# Altium PCB batt_ctrl_pcb_v1.PcbDoc
Units mm, origin at the board's own origin, x right, y up, seen from the top; angles counter-clockwise.
Board outline 70 x 60 mm, 2 copper layers (Top Layer, Bottom Layer); 95 components, 82 nets, 310 pads, 157 vias.
Unrouted connection lines stored in the file: 2.
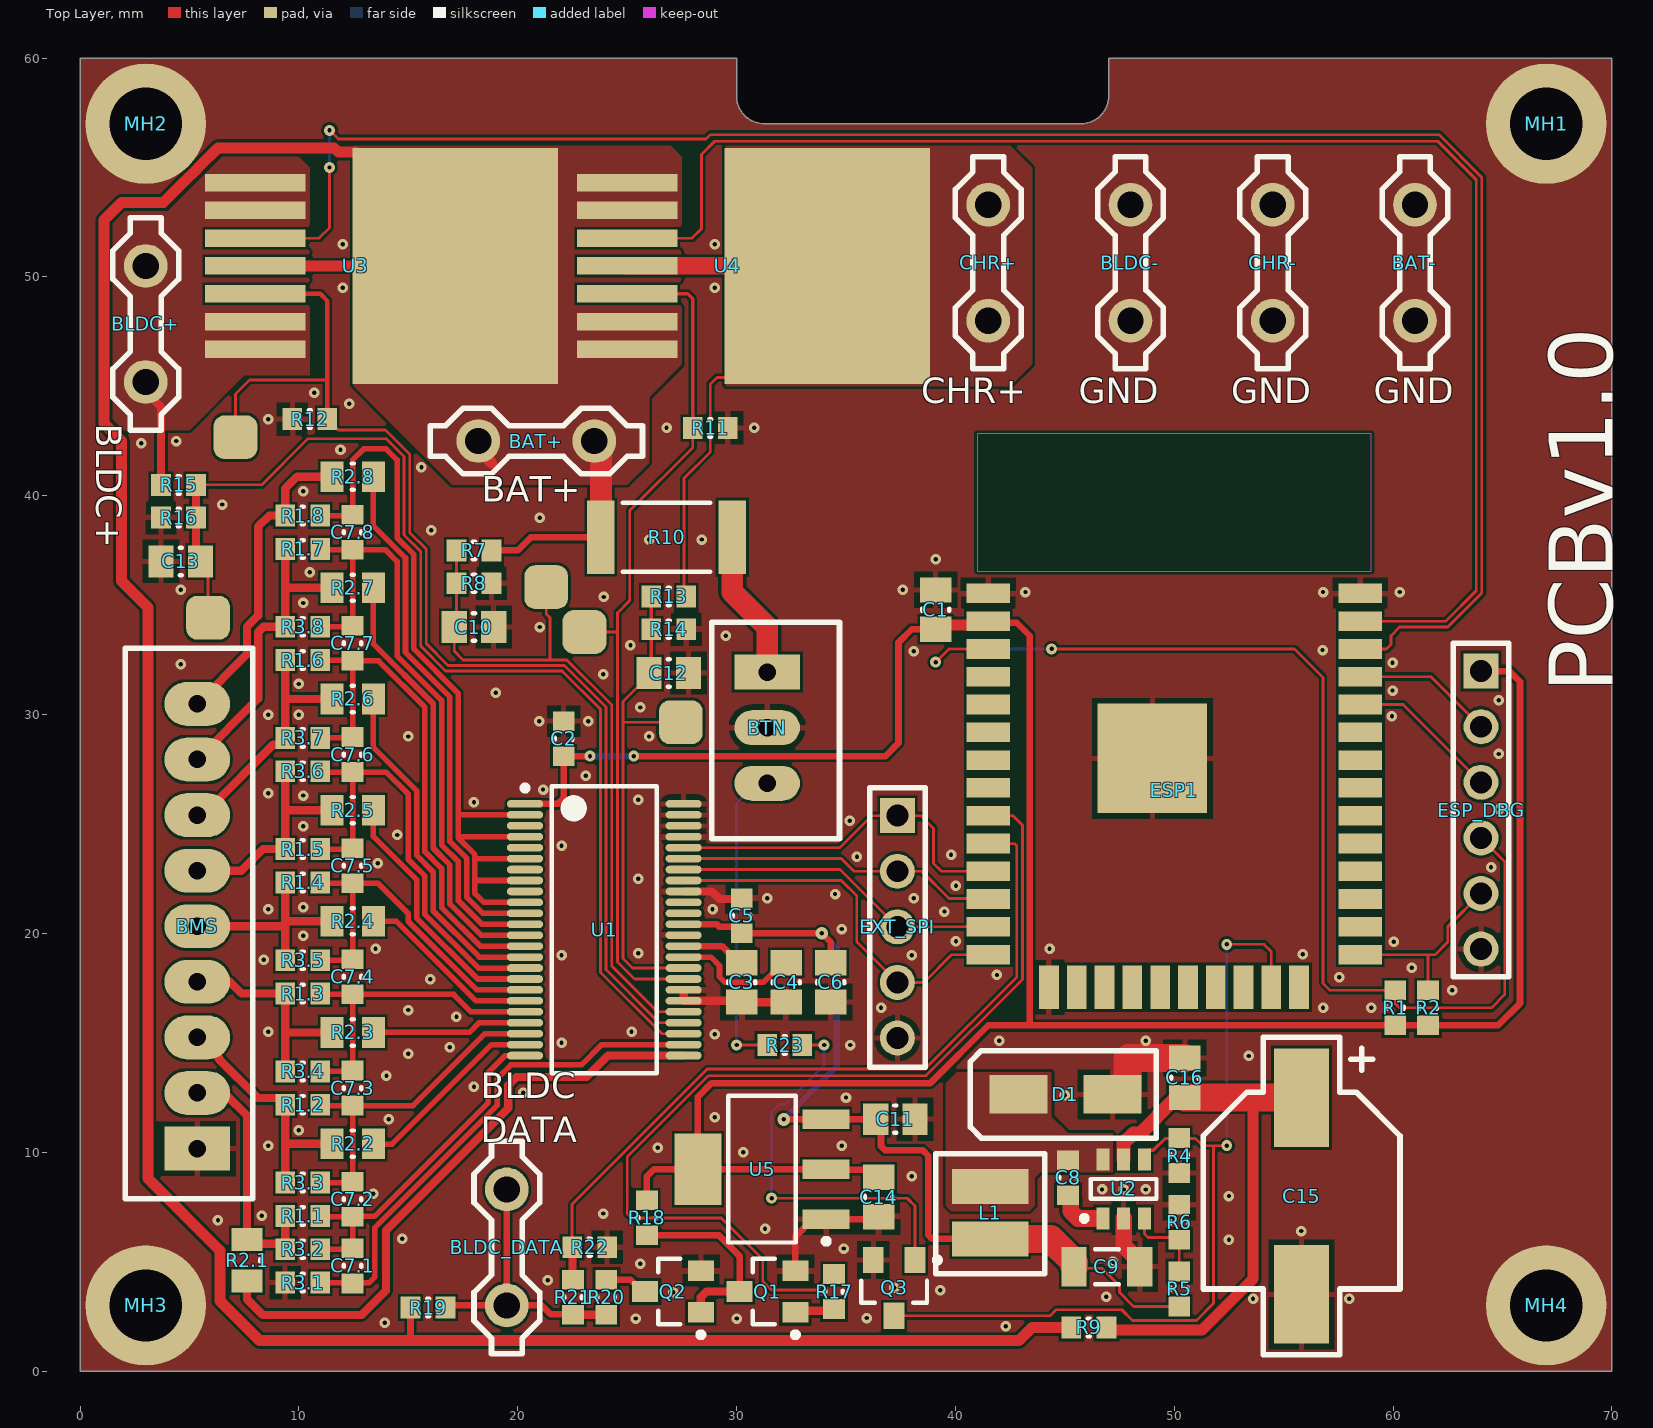
[diagram p0: Top Layer view]
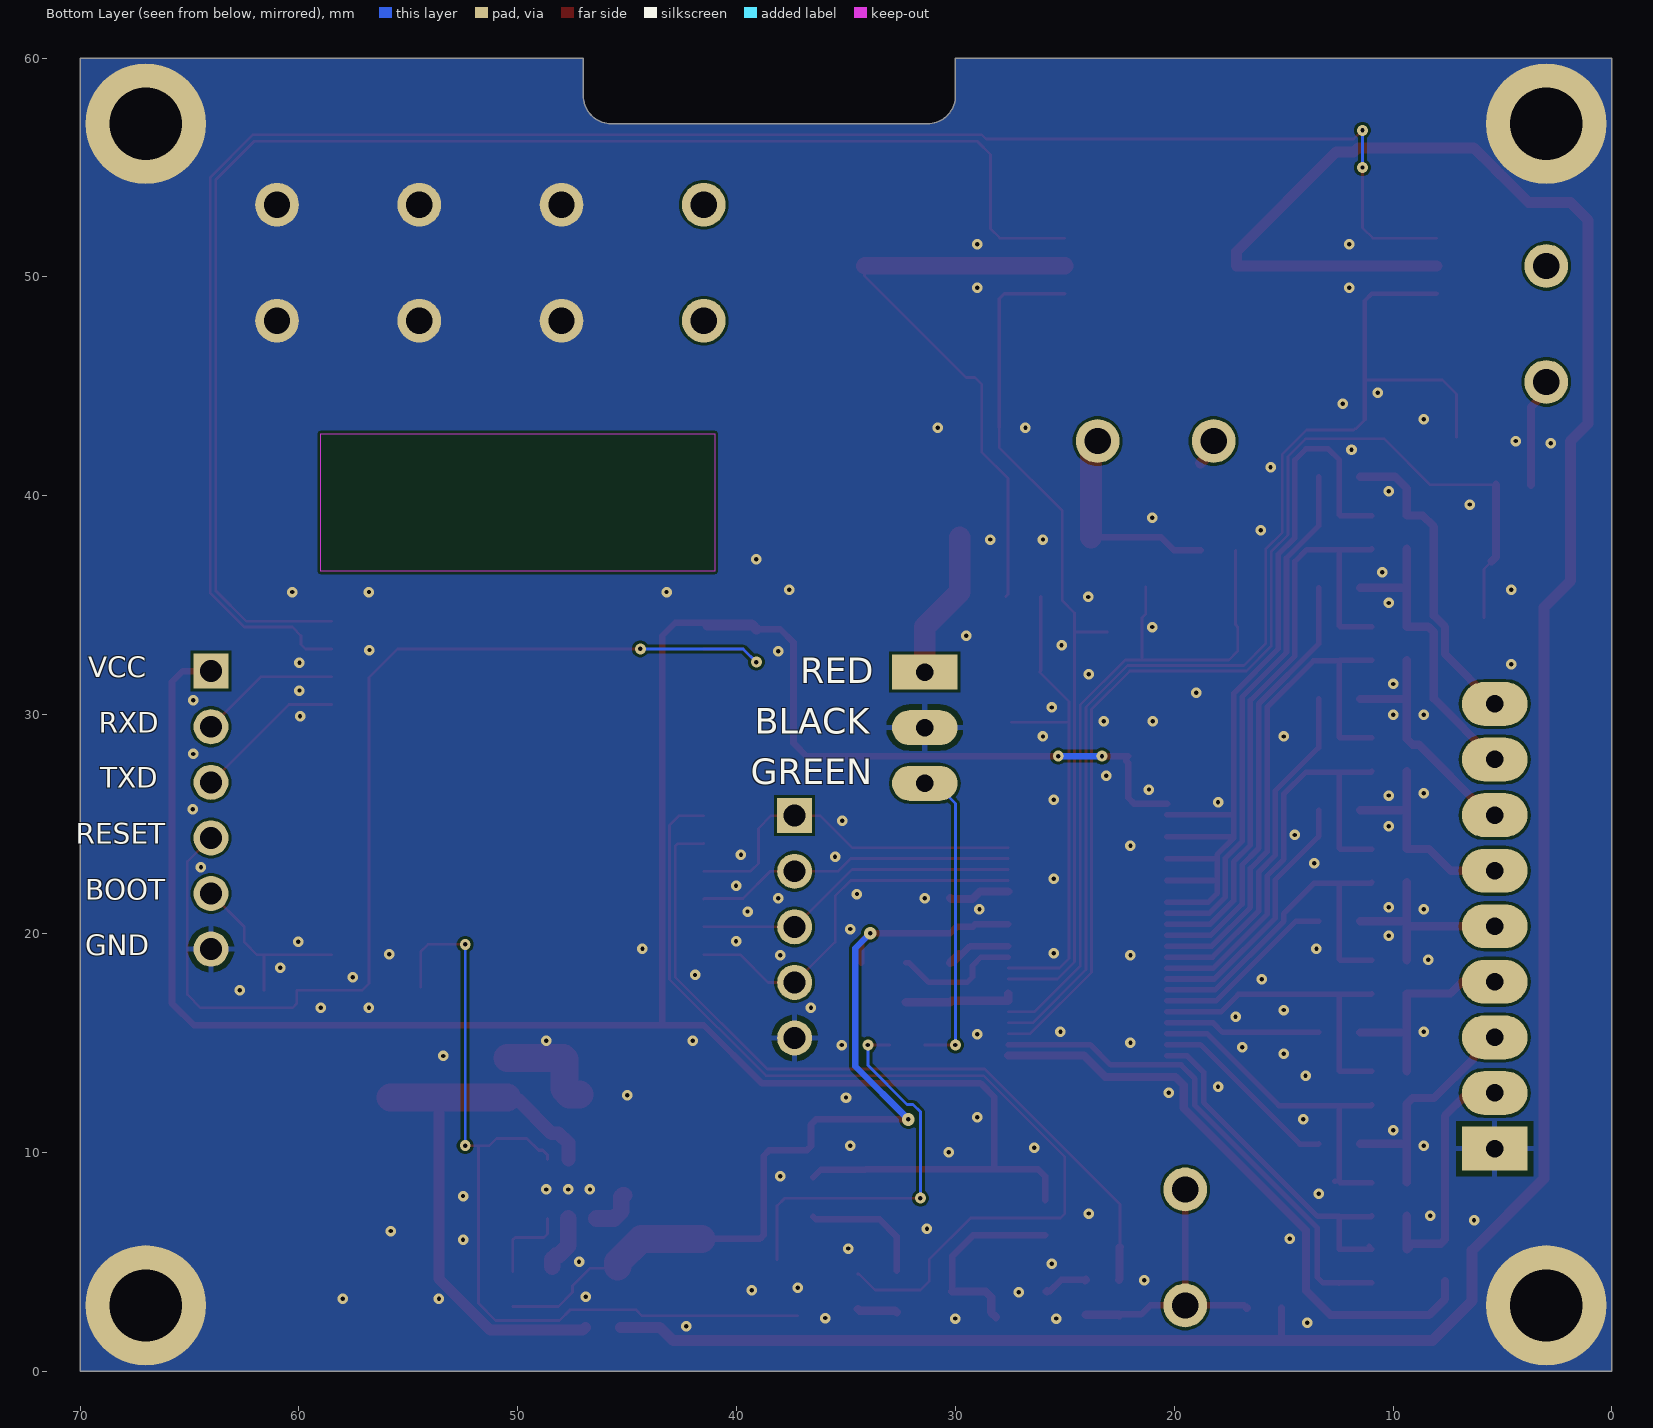
[diagram p1: Bottom Layer view, seen from below]

## Layer stack, top to bottom
Top Solder: solder mask 0.0102, Solder Resist, Dk 3.5
Top Layer: signal copper 0.0356
Dielectric 1: dielectric 0.32, FR-4, Dk 4.8
Bottom Layer: signal copper 0.0356
Bottom Solder: solder mask 0.0102, Solder Resist, Dk 3.5

## Board outline
0,0 0,60 30,60 30,58.27 ccw(c31.27,58.27) 31.27,57 45.73,57 ccw(c45.73,58.27) 47,58.27 47,60 70,60 70,0

## Design rules (kind name [scope] priority, off if disabled: settings)
Clearance [All] p1: gap=0.127 ignorepadtopadclearanceinfootprint=FALSE
DiffPairsRouting [All] p1: maxlimit=0.254 minlimit=0.127 mostfreqgap=0.254 toplayer_minwidth=0.127 toplayer_maxwidth=0.381 toplayer_prefwidth=0.381 bottomlayer_minwidth=0.127 bottomlayer_maxwidth=0.381 bottomlayer_prefwidth=0.381 maxuncoupledlength=12.7
HoleSize [All] p1: absolutevalues=TRUE maxlimit=6.3 minlimit=0.2 maxpercent=80.000 minpercent=20.000
HoleToHoleClearance [All] p1: gap=0.25 allowstackedmicrovias=TRUE
MinimumAnnularRing [All] p1: minimumring=0.13
MinimumSolderMaskSliver [All] p1: minsoldermaskwidth=0.05
PlaneClearance [All] p1: clearance=0.3
PlaneConnect Direct [IsVia] p1: planeconnectstyle=Direct reliefexpansion=0.508 reliefentries=4 reliefconductorwidth=0.254 reliefairgap=0.254
PlaneConnect [All] p2: planeconnectstyle=Relief reliefexpansion=0.508 reliefentries=4 reliefconductorwidth=0.254 reliefairgap=0.254
PolygonConnect DirectPolygonConnect [InNetClass('Direct') or IsVia or (CompParameterValue('ClassName')='DirectGND')] p1: connectstyle=Direct reliefconductorwidth=0.254 reliefentries=4 polygonreliefangle="90 Angle" airgapwidth=0.254
PolygonConnect Mainrule [All] p2: connectstyle=Relief reliefconductorwidth=0.254 reliefentries=4 polygonreliefangle="90 Angle" airgapwidth=0.254
RoutingVias [All] p1: holewidth=0.3 width=0.9 viastyle="Through Hole" minholewidth=0.2 minwidth=0.58 maxholewidth=6.3 maxwidth=8
SilkToSilkClearance [All] p1: silktosilkclearance=0.2
SilkToSolderMaskClearance [IsPad] p1: minsilkscreentomaskgap=0.15 clearancetoexposedcopper=TRUE
SolderMaskExpansion [All] p1: expansion=0.05 istentingtop=FALSE
UnRoutedNet [All] p1: checkbadconnections=TRUE
Width [All] p1: maxlimit=5 minlimit=0.127 preferedwidth=0.3
21 further rules are at their usual default settings.

## Classes and differential pairs
component class interface: BLDC_DATA Q1 Q2 R17 R18 R19 R20 R21 R22
net class Direct: BATT_POS BLDC_POS BS CHR_POS SW
component class U_ME3116_5V: C8 C9 D1 L1 R4 R5 R6 U2
component class top_sheet: EXT_SPI
component class Power: BAT+ BAT- BLDC+ BLDC- BTN C10 C11 C12 C13 C14 C15 C16 CHR+ CHR- MH1 MH2 MH3 MH4 Q3 R7 R8 R9 R10 R11 R12 R13 R14 R15 R16 R23 U3 U4 U5
component class BMS: BMS C1 C2 C3 C4 C5 C6 U1
channel class cell_ballance_r: C1 C2 C3 C4 C5 C6 C7 C8
component class U_ESP32_WROOM2: ESP1 ESP_DBG R1 R2
component class C8: C7.8 R1.8 R2.8 R3.8
component class C7: C7.7 R1.7 R2.7 R3.7
component class C6: C7.6 R1.6 R2.6 R3.6
component class C5: C7.5 R1.5 R2.5 R3.5
component class C4: C7.4 R1.4 R2.4 R3.4
component class C3: C7.3 R1.3 R2.3 R3.3
component class C2: C7.2 R1.2 R2.2 R3.2
component class C1: C7.1 R1.1 R2.1 R3.1

## Components (designator, comment, footprint, x,y, rotation, side; value= is the part's Value field where it differs from the comment)
BAT+ "Crimp 6.3 single PCB" "Crimp 6.3mm single PCB" 16,43.1 r270 top
BAT- "Crimp 6.3 single PCB" "Crimp 6.3mm single PCB" 61.6,55.5 r180 top
BLDC+ "Crimp 6.3 single PCB" "Crimp 6.3mm single PCB" 2.4,43 r0 top
BLDC- "Crimp 6.3 single PCB" "Crimp 6.3mm single PCB" 48.6,55.5 r180 top
BLDC_DATA "Crimp 6.3 single PCB" "Crimp 6.3mm single PCB" 18.9,0.8 r0 top
BMS "PIN HEADER 1x9" "XH2.54 9P" 5.356,10.168 r180 top locked
BTN "PIN HEADER 1x3" "XH2.54 3P" 31.4,31.94 r0 top
C1 "6u8" CAPC0805(2012)75_N 39.1,34.8 r90 top
C2 "100n" CAPC0603(1608)55_N 22.1,28.9 r90 top
C3 "6u8" CAPC0805(2012)75_N 30.236,17.76 r270 top
C4 "6u8" CAPC0805(2012)75_N 32.268,17.76 r270 top
C5 "100n" CAPC0603(1608)55_N 30.236,20.808 r90 top
C6 "6u8" CAPC0805(2012)75_N 34.3,17.76 r270 top
C7.1 "100n" CAPC0603(1608)55_N 12.456,4.806 r270 top (schematic designator C7)
C7.2 "100n" CAPC0603(1608)55_N 12.456,7.854 r270 top (schematic designator C7)
C7.3 "100n" CAPC0603(1608)55_N 12.456,12.934 r270 top (schematic designator C7)
C7.4 "100n" CAPC0603(1608)55_N 12.456,18.014 r270 top (schematic designator C7)
C7.5 "100n" CAPC0603(1608)55_N 12.456,23.094 r270 top (schematic designator C7)
C7.6 "100n" CAPC0603(1608)55_N 12.456,28.174 r270 top (schematic designator C7)
C7.7 "100n" CAPC0603(1608)55_N 12.456,33.254 r270 top (schematic designator C7)
C7.8 "100n" CAPC0603(1608)55_N 12.456,38.334 r270 top (schematic designator C7)
C8 "75p" CAPC0603(1608)55_N 45.148,8.834 r90 top
C9 "6u8" CAPC1206(3216)75_N 46.926,4.77 r0 top
C10 "100n" CAPC0805(2012)75_N 18,34 r0 top
C11 "6u8" CAPC0805(2012)75_N 37.258,11.51 r0 top
C12 "100n" CAPC0805(2012)75_N 26.9,31.9 r0 top
C13 "100n" CAPC0805(2012)75_N 4.6,37 r180 top
C14 "6u8" CAPC0805(2012)75_N 36.496,7.954 r270 top
C15 "220uF 35V" "10x10.5 Capacitor" 55.816,12.5 r270 top locked
C16 "6u8" CAPC0805(2012)75_N 50.482,13.406 r270 top
CHR+ "Crimp 6.3 single PCB" "Crimp 6.3mm single PCB" 40.9,45.8 r0 top
CHR- "Crimp 6.3 single PCB" "Crimp 6.3mm single PCB" 55.1,55.5 r180 top
D1 "SS14" SMA 47.18,12.644 r180 top
ESP1 "ESP32" ESP32-WROOM 41.5,35.54 r0 top locked
ESP_DBG "PIN HEADER 1x6" "PIN HEADER SINGLE 6" 64.018,31.984 r0 top
EXT_SPI "PIN HEADER 1x5" "PIN HEADER SINGLE 5" 37.348,25.38 r0 top locked
L1 "4u7" CD32 41.592,8.44 r270 top
MH1 "Mounting Hole" MH_M3 67,57 r0 top
MH2 "Mounting Hole" MH_M3 3,57 r0 top
MH3 "Mounting Hole" MH_M3 3,3 r0 top
MH4 "Mounting Hole" MH_M3 67,3 r0 top
Q1 "MMBT3904" SOT23 31.412,3.634 r180 top
Q2 "MMBT3904" SOT23 27.094,3.634 r180 top
Q3 "MMBT3904" SOT23 37.2,3.8 r270 top
R1 "10k" RESC0603(1608)_N 60.1,16.6 r90 top
R1.1 "10k" RESC0603(1608)_N 10.17,7.092 r0 top (schematic designator R1)
R1.2 "10k" RESC0603(1608)_N 10.17,12.172 r0 top (schematic designator R1)
R1.3 "10k" RESC0603(1608)_N 10.17,17.252 r0 top (schematic designator R1)
R1.4 "10k" RESC0603(1608)_N 10.17,22.332 r0 top (schematic designator R1)
R1.5 "10k" RESC0603(1608)_N 10.17,23.856 r0 top (schematic designator R1)
R1.6 "10k" RESC0603(1608)_N 10.17,32.492 r0 top (schematic designator R1)
R1.7 "10k" RESC0603(1608)_N 10.17,37.572 r0 top (schematic designator R1)
R1.8 "10k" RESC0603(1608)_N 10.17,39.096 r0 top (schematic designator R1)
R2 "1k" RESC0603(1608)_N 61.6,16.6 r90 top
R2.1 "100" RESC0805(2012)_N 7.63,5.06 r270 top (schematic designator R2)
R2.2 "100" RESC0805(2012)_N 12.456,10.394 r0 top (schematic designator R2)
R2.3 "100" RESC0805(2012)_N 12.456,15.474 r0 top (schematic designator R2)
R2.4 "100" RESC0805(2012)_N 12.456,20.554 r0 top (schematic designator R2)
R2.5 "100" RESC0805(2012)_N 12.456,25.634 r0 top (schematic designator R2)
R2.6 "100" RESC0805(2012)_N 12.456,30.714 r0 top (schematic designator R2)
R2.7 "100" RESC0805(2012)_N 12.456,35.794 r0 top (schematic designator R2)
R2.8 "100" RESC0805(2012)_N 12.456,40.874 r0 top (schematic designator R2)
R3.1 "10k" RESC0603(1608)_N 10.17,4.044 r0 top (schematic designator R3)
R3.2 "10k" RESC0603(1608)_N 10.17,5.568 r0 top (schematic designator R3)
R3.3 "10k" RESC0603(1608)_N 10.17,8.616 r0 top (schematic designator R3)
R3.4 "10k" RESC0603(1608)_N 10.17,13.696 r0 top (schematic designator R3)
R3.5 "10k" RESC0603(1608)_N 10.17,18.776 r0 top (schematic designator R3)
R3.6 "10k" RESC0603(1608)_N 10.17,27.412 r0 top (schematic designator R3)
R3.7 "10k" RESC0603(1608)_N 10.17,28.936 r0 top (schematic designator R3)
R3.8 "10k" RESC0603(1608)_N 10.17,34.016 r0 top (schematic designator R3)
R4 "10k" RESC0603(1608)_N 50.228,9.85 r90 top
R5 "56k" RESC0603(1608)_N 50.228,3.754 r270 top
R6 "10k" RESC0603(1608)_N 50.228,6.802 r270 top
R7 "100k" RESC0603(1608)_N 18,37.5 r0 top
R8 "10k" RESC0603(1608)_N 18,36 r180 top
R9 "100" RESC0603(1608)_N 46.1,2 r180 top
R10 "1k" RESC2512(6432)_N 26.8,38.1 r180 top
R11 "1k" RESC0603(1608)_N 28.8,43.1 r180 top
R12 "1k" RESC0603(1608)_N 10.5,43.5 r0 top
R13 "100k" RESC0603(1608)_N 26.9,35.4 r0 top
R14 "10k" RESC0603(1608)_N 26.9,33.9 r180 top
R15 "100k" RESC0603(1608)_N 4.5,40.5 r180 top
R16 "10k" RESC0603(1608)_N 4.5,39 r0 top
R17 "1k" RESC0603(1608)_N 34.46,3.634 r270 top
R18 "1k" RESC0603(1608)_N 25.9,7 r90 top
R19 "4k7" RESC0603(1608)_N 15.9,2.9 r180 top
R20 "10" RESC0603(1608)_N 24.046,3.372 r270 top
R21 "390k" RESC0603(1608)_N 22.522,3.372 r270 top
R22 "TBD" RESC0603(1608)_N 23.284,5.658 r180 top
R23 "10k" RESC0603(1608)_N 32.2,14.9 r180 top
U1 "LTC6804-2" SSOP48 23.956,20.168 r0 top locked
U2 "ME3116" SOT23-6 47.688,8.326 r90 top
U3 "BTS50085" PG-TO220-7-4 17.15,50.5 r270 top
U4 "BTS50085" PG-TO220-7-4 34.15,50.5 r270 top
U5 "AMS1117-3V3" SOT229P700X180-4N 31.162,9.224 r180 top locked

## Footprints (in the part's own frame and the unit in brackets; to place one, negate y for a bottom-side part, rotate by r counter-clockwise, add the part's x,y. Pads: shape width x height; smd on the part's side, far side on the other; paste and mask are expansions set on the pad)
"10x10.5 Capacitor" [mm]
  rect 4.5x2.5 smd: +(0,0) -(9,0)
  silkscreen extent -2.75,-4.5 11.75,4.5, body extent -0.7,-4.15 9.2,4.15, height 10.2
CAPC0603(1608)55_N [mm] "Chip Capacitor, Body 1.6x0.8mm, Height 0.55mm, IPC Medium Density"
  rect 0.9x1 smd: 1(-0.8,0) 2(0.8,0)
  silkscreen extent -0.05,-0.4 0.05,0.4, body extent -0.87,-0.48 0.88,0.47, height 0.55
CAPC0805(2012)75_N [mm] "Chip Capacitor, Body 2.0x1.2mm, Height 0.75mm, IPC Medium Density"
  rect 1.15x1.45 smd: 1(-0.9,0) 2(0.9,0)
  silkscreen extent -0.05,-0.62 0.05,0.63, body extent -1.1,-0.72 1.1,0.73, height 0.75
CAPC1206(3216)75_N [mm] "Chip Capacitor, Body 3.2x1.6mm, Height 0.75mm, IPC Medium Density"
  rect 1.15x1.8 smd: 1(-1.5,0) 2(1.5,0)
  silkscreen extent -0.55,-0.8 0.55,0.8, body extent -1.7,-0.9 1.7,0.9, height 0.75
CD32 [mm] "SMD inductor"
  rect 1.6x3.5 smd: 1(0,0) 2(2.4,0)
  silkscreen extent -1.5,-2.5 4,2.5, body extent -0.45,-1.5 2.85,1.5, height 2.1
"Crimp 6.3mm single PCB" [mm]
  round 2 hole 1.2: 1(0.6,7.5) 1(0.6,2.2)
  silkscreen extent -0.9,0 2.1,9.7, body extent 0.2,0.8 1,8.8, height 11
ESP32-WROOM [mm] "ESP32-WROOM-32 is a powerful, generic Wi-Fi+BT+BLE MCU module"
  rect 2x0.9 smd: 1(0,0) 2(0,-1.27) 3(0,-2.54) 4(0,-3.81) 5(0,-5.08) 6(0,-6.35) 7(0,-7.62) 8(0,-8.89) 9(0,-10.16) 10(0,-11.43) 11(0,-12.7) 12(0,-13.97) 13(0,-15.24) 14(0,-16.51) 25(17,-16.51) 26(17,-15.24) 27(17,-13.97) 28(17,-12.7) 29(17,-11.43) 30(17,-10.16) 31(17,-8.89) 32(17,-7.62) 33(17,-6.35) 34(17,-5.08) 35(17,-3.81) 36(17,-2.54) 37(17,-1.27) 38(17,0)
  rect 0.9x2 smd: 15(2.775,-18) 16(4.045,-18) 17(5.315,-18) 18(6.585,-18) 19(7.855,-18) 20(9.125,-18) 21(10.395,-18) 22(11.665,-18) 23(12.935,-18) 24(14.205,-18)
  rect 5x5 smd: 39(7.5,-7.54)
  Keep-Out Layer region: -0.5,1 17.5,1 17.5,7.3 -0.5,7.3
  body extent -0.5,-18.05 17.5,7.45, height 2.91
MH_M3 [mm] "Mount hole M3"
  round 5.5 hole 3.3: 1(0,0)
PG-TO220-7-4 [mm]
  rect 0.8x4.6 smd: 1(-3.81,-9.15) 2(-2.54,-9.15) 3(-1.27,-9.15) 4(0,-9.15) 5(1.27,-9.15) 6(2.54,-9.15) 7(3.81,-9.15)
  rect 10.8x9.4 smd: 8(0,0)
"PIN HEADER SINGLE 5" [mm]
  rect 1.6x1.6 hole 1: 1(0,0)
  round 1.6 hole 1: 2(0,-2.54) 3(0,-5.08) 4(0,-7.62) 5(0,-10.16)
  silkscreen extent -1.27,-11.5 1.27,1.27, body extent -1.27,-11.43 1.27,1.27, height 8.19
"PIN HEADER SINGLE 6" [mm]
  rect 1.6x1.6 hole 1: 1(0,0)
  round 1.6 hole 1: 2(0,-2.54) 3(0,-5.08) 4(0,-7.62) 5(0,-10.16) 6(0,-12.7)
  silkscreen extent -1.27,-13.97 1.27,1.27, body extent -1.27,-13.97 1.27,1.27, height 8.19
RESC0603(1608)_N [mm] "Chip Resistor, Body 1.6x0.8mm, IPC Medium Density"
  rect 0.9x1 smd: 1(-0.8,0) 2(0.8,0)
  silkscreen extent -0.05,-0.4 0.05,0.4, body extent -0.85,-0.47 0.85,0.47, height 0.6
RESC0805(2012)_N [mm] "Chip Resistor, Body 2.0x1.3mm, IPC Medium Density"
  rect 1.05x1.4 smd: 1(-0.95,0) 2(0.95,0)
  silkscreen extent -0.05,-0.6 0.05,0.6, body extent -1.1,-0.67 1.1,0.68, height 0.7
RESC2512(6432)_N [mm] "Chip Resistor, Body 6.4x3.2mm, IPC Medium Density"
  rect 1.25x3.35 smd: 1(-3,0) 2(3,0)
  silkscreen extent -2,-1.57 2,1.58, body extent -3.13,-1.57 3.17,1.57, height 0.62
SMA [mm] "SMA Diode"
  rect 2.65x1.75 smd: A(0,0) K(4.3,0)
  silkscreen extent -2,-2 6.5,2, body extent -0.53,-1.46 4.75,1.46, height 2.41
SOT23 [mm] "SOT23, 3-Leads, Body 2,90x2,80mm, Pitch 0,95mm, IPC Medium Density"
  rect 1.2x0.95 smd: 1(-1.275,0.95) 2(-1.275,-0.95) 3(1.275,0)
  silkscreen extent -1.4,-1.5 0.67,2.1, body extent -1.13,-1.5 1.13,1.5, height 1.25
SOT23-6 [mm] "SOT23, 6-Leads, Body 2,90x2,80mm, Pitch 0,95mm, IPC Medium Density"
  rect 1x0.6 smd: 1(-1.35,0.95) 2(-1.35,0) 3(-1.35,-0.95) 4(1.35,-0.95) 5(1.35,0) 6(1.35,0.95)
  silkscreen extent -1.47,-1.5 0.45,1.92, body extent -1.4,-1.45 1.4,1.45, height 1.45
SOT229P700X180-4N [mm] "SOT223, 4-Leads, Body 6,50x7,00mm (avg), Pitch 2,29mm, IPC Medium Density"
  rect 2.15x0.9 smd: 1(-2.93,2.29) 2(-2.93,0) 3(-2.93,-2.29)
  rect 2.15x3.25 smd: 4(2.93,0)
  silkscreen extent -3.06,-3.35 1.55,3.41, body extent -3.54,-3.25 3.54,3.25, height 1.65
SSOP48 [mm] "48-Lead Plastic SSOP (5.3mm)"
  oval 1.65x0.35 smd: 1(-3.625,5.75) 2(-3.625,5.25) 3(-3.625,4.75) 4(-3.625,4.25) 5(-3.625,3.75) 6(-3.625,3.25) 7(-3.625,2.75) 8(-3.625,2.25) 9(-3.625,1.75) 10(-3.625,1.25) 11(-3.625,0.75) 12(-3.625,0.25) 13(-3.625,-0.25) 14(-3.625,-0.75) 15(-3.625,-1.25) 16(-3.625,-1.75) 17(-3.625,-2.25) 18(-3.625,-2.75) 19(-3.625,-3.25) 20(-3.625,-3.75) 21(-3.625,-4.25) 22(-3.625,-4.75) 23(-3.625,-5.25) 24(-3.625,-5.75) 25(3.625,-5.75) 26(3.625,-5.25) 27(3.625,-4.75) 28(3.625,-4.25) 29(3.625,-3.75) 30(3.625,-3.25) 31(3.625,-2.75) 32(3.625,-2.25) 33(3.625,-1.75) 34(3.625,-1.25) 35(3.625,-0.75) 36(3.625,-0.25) 37(3.625,0.25) 38(3.625,0.75) 39(3.625,1.25) 40(3.625,1.75) 41(3.625,2.25) 42(3.625,2.75) 43(3.625,3.25) 44(3.625,3.75) 45(3.625,4.25) 46(3.625,4.75) 47(3.625,5.25) 48(3.625,5.75)
  silkscreen extent -3.75,-6.55 2.4,6.6, body extent -3.9,-6.55 3.9,6.55, height 2
"XH2.54 3P" [mm]
  rect 3x1.6 hole 0.8: 1(0,0)
  oval 3x1.6 hole 0.8: 2(0,-2.54) 3(0,-5.08)
  silkscreen extent -2.54,-7.62 3.3,2.29, body extent -2.49,-7.42 3.35,2.34, height 7.21
"XH2.54 9P" [mm]
  rect 3x2 hole 0.8: 1(0,0)
  oval 3x2 hole 0.8: 2(0,-2.54) 3(0,-5.08) 4(0,-7.62) 5(0,-10.16) 6(0,-12.7) 7(0,-15.24) 8(0,-17.78) 9(0,-20.32)
  silkscreen extent -2.54,-22.86 3.3,2.29, body extent -2.49,-22.66 3.35,2.34, height 7.21

## Part data
BAT+ BAT- BLDC+ BLDC- BLDC_DATA CHR+ CHR-: "Straight Mount Angle PCB Tab Terminal"
  BAT- BLDC- CHR-: ClassName=DirectGND
BMS: library part "PIN HEADER 2.54 1x9"
BTN: library part "PIN HEADER 2.54 1x3"
C1 C2 C3 C4 C5 C6 C7.1 C7.2 C7.3 C7.4 C7.5 C7.6 C7.7 C7.8 C8 C9 C10 C11 C12 C13 C14 C16: library part "Capacitor M", "Ceramic capacitor Medium density"
C15: library part "Capacitor Electrolitic", "Capacitor Electrolitic"
D1: "Surface Mount Schottky Barrier Rectifier", Supplier Part Number 1=05R5585, If (av)=1.0A, Ifsm=40A, Supplier 1=Newark, Vf="0.5 ~ 0.75V", Vrrm=40V
ESP1: library part ESP32S, "ESP32-WROOM-32 is a powerful, generic Wi-Fi+BT+BLE MCU module"
ESP_DBG: library part "PIN HEADER 2.54 1x6"
EXT_SPI: library part "PIN HEADER 2.54 1x5"
L1: library part Inductor
Q1 Q2 Q3: library part 2N3904, "NPN General Purpose Transistor", Collector Current - Continuous=200mA, Collector-Base Voltage=60V, Collector-Emitter Voltage=40V, DC Current Gain=300
R1 R1.1 R1.2 R1.3 R1.4 R1.5 R1.6 R1.7 R1.8 R2 R2.1 R2.2 R2.3 R2.4 R2.5 R2.6 R2.7 R2.8 R3.1 R3.2 R3.3 R3.4 R3.5 R3.6 R3.7 R3.8 R4 R5 R6 R7 R8 R9 R10 R11 R12 R13 R14 R15 R16 R17 R18 R19 R20 R21 R22 R23: library part "Resistor M", "Resistor Medium Density"
U1: "The LTC®6804 is a 3rd generation multicell battery stack / monitor that measures up to 12 series connected battery / cells with a total measurement error of less than 1.2mV. The / cell measurement range of 0V to 5V makes the LTC6804 / suitable for most battery chemistries. All 12 cell voltages / can be captured in 290µs, and lower data acquisition rates / can be selected for high noise reduction."
U2: "The ME3116 is PWM DC/DC buck (step-down) regulators.", Frequency=550kHz, FB=0.8V, V in max=45V
U3 U4: library part BTS50085-1TMA, "Smart Highside High Current Power Switch", Current sense ratio=13000, Load current (ISO)=44A, On-state resistance="9 mOhm", Operating voltage="5.0 .. 58V", Overvoltage protection=70V, Short circuit current limitation=90A, Output clamp=62V
U5: library part AMS1117, "800mA LDO  15V max"
MH1 MH2 MH3 MH4: ClassName=DirectGND

## Free pads (board coordinates)
  rrect50% 2x2 smd: ""(5.85,34.425) ""(7.1,42.675) ""(21.3,35.825) ""(23.05,33.775) ""(27.45,29.65)

## Via types
v1: diameter 0.48, hole 0.2, Top Layer to Bottom Layer, 144 vias
v2: diameter 0.5, hole 0.2, Top Layer to Bottom Layer, 11 vias
v3: diameter 0.58, hole 0.2, Top Layer to Bottom Layer, 2 vias

## Nets (pads, with @x,y where several pads share a name; then routed paths per layer and width w, separated by ;. In a path a pad name is that pad's centre, name@x,y a point inside that pad or via, vN(x,y) a via of type N, cw(c..) or ccw(c..) an arc to the next point about the centre after c; other vN are vias at no path point)
+5V: C5.1 C6.1 C9.1 C11.1 L1.2 R5.2 U1.37 U5.3 | length 42.4
  Top Layer w0.127: C9.1 45.496,4.7 46.7,4.7 47.5,3.9 47.5,3.6 48.146,2.954 R5.2
  Top Layer w0.3: v3(32.15,11.5) 32.164,11.514 U5.3 36.354,11.514 36.6,11.268 36.6,10.276 36.776,10.1 38.5,10.1 38.76,9.84 38.76,6.216 38.936,6.04 L1.2
  Top Layer w0.305: U1.37 29.102,20.418 29.219,20.301 29.943,20.301 C5.1 v3(33.892,20.008) 34.3,19.6 C6.1
  Top Layer w1.27: L1.2 44.361,6.04 45.426,4.975 C9.1
  Bottom Layer w0.3: v3(32.15,11.5) 34.575,13.925 34.575,19.325 v3(33.892,20.008)
AN0: ESP1.4
AN1: ESP1.5
BALLANCE_IN1: R2.1.2 U1.25 | length 28.2
  Top Layer w0.381: R2.1.2 7.63,3.282 8.347,2.565 12.868,2.565 13.98,3.677 13.98,6.433 19.568,12.021 19.568,13.068 19.942,13.442 23.15,13.442 24.126,14.418 U1.25
BALLANCE_IN2: R2.2.2 U1.23 | length 8.8
  Top Layer w0.254: R2.2.2 13.432,10.368 14.256,10.368 18.806,14.918 U1.23
BALLANCE_IN3: R2.3.2 U1.21 | length 7.1
  Top Layer w0.254: R2.3.2 17.79,15.474 18.234,15.918 U1.21
BALLANCE_IN4: R2.4.2 U1.19 | length 8.4
  Top Layer w0.254: R2.4.2 14.457,20.554 18.093,16.918 U1.19
BALLANCE_IN5: R2.5.2 U1.17 | length 11.8
  Top Layer w0.254: R2.5.2 13.406,24.43 15.377,22.459 15.377,20.712 18.171,17.918 U1.17
BALLANCE_IN6: R2.6.2 U1.15 | length 15.9
  Top Layer w0.254: R2.6.2 13.406,28.494 15.377,26.523 15.377,23.575 16.139,22.813 16.139,21.027 18.248,18.918 U1.15
BALLANCE_IN7: R2.7.2 U1.13 | length 19.9
  Top Layer w0.254: R2.7.2 13.406,33.228 16.139,30.495 16.139,23.891 16.901,23.129 16.901,21.343 18.326,19.918 U1.13
BALLANCE_IN8: R2.8.2 U1.11 | length 24
  Top Layer w0.254: R2.8.2 13.406,38.623 14.869,37.16 14.869,32.842 16.901,30.81 16.901,24.206 17.663,23.444 17.663,21.659 18.404,20.918 U1.11
BATT_MEAS: C10.1 pad.@21.3,35.825 R7.1 R8.2 U1.29 | length 32.3
  Top Layer w0.127: C10.1 17.1,32.9 17.5,32.5 21.475,32.5 22.241,32.5 24.3,30.441 24.3,18.5 26.382,16.418 U1.29 ; pad.@21.3,35.825 21.3,34.598 21.475,34.423 21.475,32.5
  Top Layer w0.15: C10.1 17.2,34.1 R8.2 R7.1
BATT_POS: BAT+.1 R7.2 R9.2 R10.2 R19.2 U3.4 U3.8 U4.1 U4.2 U4.6 U4.7 | length 133.2
  Top Layer w0.3: 15.009,1.4 15.1,1.491 R19.2 ; R7.2 20,37.5 20.6,38.1 R10.2
  Top Layer w0.5: U3.4 U3.8 17.15,51.15 12.6,55.7 11.8,55.7 11.6,55.9 6.3,55.9 5.421,55.021 cw(c3,57) 4.979,54.579 3.8,53.4 1.9,53.4 1.1,52.6 1.1,43.3 1.9,42.5 1.9,36.1 3.1,34.9 3.1,8.8 6.4,5.5 6.4,3.2 8.2,1.4 15.009,1.4 42.9,1.4 43.5,2 R9.2 ; BAT+.1@18.2,42.5 18.2,42.094 18.8,41.494
  Top Layer w1: BAT+.1@23.5,42.5 23.5,42.229 23.8,41.929 R10.2
BLDC_EN: ESP1.36 U3.3 | length 87.6
  Top Layer w0.127: U3.3 10.926,51.77 11.4,52.244 v2(11.4,55) ; v2(11.4,56.7) 11.8,56.3 28.6,56.3 28.8,56.5 62.1,56.5 64.054,54.546 64.054,35.554 62.5,34 60.3,34 59.9,33.6 59.9,33.197 59.703,33 ESP1.36
  Bottom Layer w0.127: v2(11.4,55) v2(11.4,56.7)
BLDC_I_MEAS: pad.@7.1,42.675 R12.2 U1.28 U3.5 | length 54.7
  Top Layer w0.127: pad.@7.1,42.675 7.1,44.65 7.736,45.286 11.3,45.286 ; R12.2 11.3,43.45 11.687,43.063 11.737,43.063 11.8,43 13.959,43 15.059,41.9 15.059,38.317 15.821,37.555 15.821,33.237 16.812,32.246 22.136,32.246 24.032,30.349 24.032,18.343 26.457,15.918 U1.28
  Top Layer w0.2: U3.5 10.97,49.23 11.3,48.9 11.3,45.286 R12.2
BLDC_MEAS: C13.1 pad.@5.85,34.425 R15.1 R16.2 U1.27 | length 52.4
  Top Layer w0.127: R15.1 8.3,40.5 10.4,42.6 14,42.6 14.805,41.794 14.805,38.212 15.567,37.45 15.567,33.132 16.707,31.992 22.03,31.992 23.778,30.244 23.778,18.222 26.582,15.418 U1.27 ; C13.1 5.85,36.65 pad.@5.85,34.425
  Top Layer w0.381: R15.1 R16.2 5.3,37.2 C13.1
BLDC_POS: BLDC+.1 R15.2 U3.1 U3.2 U3.6 U3.7 | length 5
  Top Layer w0.381: BLDC+.1@3,45.2 3,44.762 3.7,44.062 R15.2
BOOT: ESP1.25 ESP_DBG.5 R2.2 | length 8.7
  Top Layer w0.127: ESP1.25 61.653,19.03 ; R2.2 61.6,18.977 61.653,19.03 ; ESP_DBG.5 62.5,20.306 62.5,19.6 61.93,19.03 61.653,19.03
BS: C8.1 U2.1 | length 2.1
  Top Layer w0.762: C8.1 45.198,8.034 45.267,7.965 45.267,7.303 45.594,6.976 46.418,6.976
BTN_EN: BTN.3 R23.2 | length 14.2
  Top Layer w0.127: v2(30,14.9) R23.2
  Bottom Layer w0.127: v2(30,14.9) 30,25.934 30.926,26.86 BTN.3
BTN_SUP12-30V_RED: BTN.1 R10.1 | length 6.8
  Top Layer w1: R10.1 29.8,35.6 31.4,34 BTN.1
CELL1: BMS.2 R1.1.1 R2.1.1 R3.2.1 | length 11.8
  Top Layer w0.381: BMS.2 5.442,12.622 6.678,12.622 7.63,11.67 R2.1.1 7.818,5.822 9.116,5.822 R3.2.1 R1.1.1
CELL2: BMS.3 R1.2.1 R2.2.1 R3.3.1 | length 11
  Top Layer w0.381: BMS.3 5.418,15.248 6.336,14.33 6.336,14.268 8.122,12.482 9.11,12.482 9.37,12.222 9.37,10.394 ; R3.3.1 9.37,10.394 ; R2.2.1 9.37,10.394
CELL3: BMS.4 R1.3.1 R2.3.1 R3.4.1 | length 9.9
  Top Layer w0.381: BMS.4 6.84,17.788 7.376,17.252 R1.3.1 9.37,15.474 ; R3.4.1 9.37,15.474 ; R2.3.1 9.37,15.474
CELL4: BMS.5 R1.4.1 R2.4.1 R3.5.1 | length 9.7
  Top Layer w0.381: BMS.5 9.342,20.328 9.37,20.3 ; R3.5.1 9.37,20.3 ; R1.4.1 9.37,20.554 ; R2.4.1 9.37,20.554 ; 9.37,20.3 9.37,20.554
CELL5: BMS.6 R1.5.1 R2.5.1 R3.6.1 | length 10.1
  Top Layer w0.381: BMS.6 7.368,22.868 8.356,23.856 R1.5.1 9.37,25.634 ; R3.6.1 9.37,25.634 ; R2.5.1 9.37,25.634
CELL6: BMS.7 R1.6.1 R2.6.1 R3.7.1 | length 11.2
  Top Layer w0.381: BMS.7 5.578,25.408 5.899,25.729 5.929,25.729 8.826,28.626 9.11,28.626 9.37,28.886 9.37,30.714 ; R1.6.1 9.37,30.714 ; R2.6.1 9.37,30.714
CELL7: BMS.8 R1.7.1 R2.7.1 R3.8.1 | length 14
  Top Layer w0.381: BMS.8 8.138,30.73 8.138,33.762 8.392,34.016 R3.8.1 9.37,35.794 ; R1.7.1 9.37,35.794 ; R2.7.1 9.37,35.794
CELL8: BMS.9 R1.8.1 R2.8.1 | length 14.3
  Top Layer w0.381: BMS.9 7.63,32.762 7.63,34.016 8.138,34.524 8.138,38.588 8.646,39.096 R1.8.1 9.37,40.328 9.916,40.874 R2.8.1
CELL_INPUT0: C7.1.2 R3.1.2 U1.26 | length 23.2
  Top Layer w0.254: R3.1.2 12.418,4.044 C7.1.2 12.494,4.044 13.218,4.044 13.472,4.298 13.472,6.553 19.06,12.141 19.06,13.36 19.689,13.989 22.909,13.989 23.838,14.918 U1.26
CELL_INPUT1: C7.1.1 C7.2.2 R1.1.2 R3.2.2 U1.24 | length 16.2
  Top Layer w0.254: R3.2.2 12.418,5.568 C7.1.1 ; R1.1.2 11.008,7.054 C7.2.2 ; C7.1.1@12.456,5.568 C7.1.1 ; U1.24 20.323,14.41 19.41,14.41 18.656,13.656 18.656,12.276 13.448,7.068 12.47,7.068 C7.2.2 ; C7.1.1 C7.2.2
CELL_INPUT2: C7.2.1 C7.3.2 R1.2.2 R3.3.2 U1.22 | length 15.7
  Top Layer w0.254: R3.3.2 12.418,8.616 C7.2.1 C7.3.2 ; R1.2.2 11.008,12.134 C7.3.2 ; U1.22 18.496,15.418 15.212,12.134 C7.3.2
CELL_INPUT3: C7.3.1 C7.4.2 R1.3.2 R3.4.2 U1.20 | length 14.7
  Top Layer w0.254: R3.4.2 12.418,13.696 C7.3.1 C7.4.2 ; R1.3.2 11.008,17.214 C7.4.2 ; U1.20 17.862,16.418 17.066,17.214 C7.4.2
CELL_INPUT4: C7.4.1 C7.5.2 R1.4.2 R3.5.2 U1.18 | length 16.6
  Top Layer w0.254: R3.5.2 12.418,18.776 C7.4.1 C7.5.2 ; R1.4.2 11.008,22.294 C7.5.2 ; U1.18 18.132,17.418 14.996,20.554 14.996,20.904 13.606,22.294 C7.5.2
CELL_INPUT5: C7.5.1 C7.6.2 R1.5.2 R3.6.2 U1.16 | length 20.8
  Top Layer w0.254: R1.5.2 12.418,23.856 C7.5.1 C7.6.2 ; R3.6.2 11.008,27.374 C7.6.2 ; U1.16 18.21,18.418 15.758,20.87 15.758,22.617 14.996,23.379 14.996,26.365 13.987,27.374 C7.6.2
CELL_INPUT6: C7.6.1 C7.7.2 R1.6.2 R3.7.2 U1.14 | length 24.7
  Top Layer w0.254: R3.7.2 12.418,28.936 C7.6.1 C7.7.2 ; R1.6.2 12.418,32.492 C7.7.2 ; U1.14 18.287,19.418 16.52,21.185 16.52,22.971 15.758,23.733 15.758,30.337 13.641,32.454 C7.7.2
CELL_INPUT7: C7.7.1 C7.8.2 R1.7.2 R3.8.2 U1.12 | length 28.9
  Top Layer w0.254: R3.8.2 12.418,34.016 C7.7.1 C7.8.2 ; R1.7.2 11.008,37.534 C7.8.2 ; U1.12 18.365,20.418 17.282,21.501 17.282,23.286 16.52,24.048 16.52,30.652 14.488,32.684 14.488,37.002 13.956,37.534 C7.8.2
CELL_INPUT8: C7.8.1 R1.8.2 U1.2 U1.4 U1.6 U1.8 U1.10 | length 40.9
  Top Layer w0.254: R1.8.2 12.418,39.096 C7.8.1 12.456,41.636 12.964,42.144 13.98,42.144 14.488,41.636 14.488,38.08 15.25,37.318 15.25,33 17.282,30.968 17.282,25.38 ; U1.10 18.45,21.418 18.044,21.824 18.044,22.418 ; U1.8 18.044,22.418 ; U1.6 18.044,23.418 ; U1.4 17.336,24.418 17.282,24.364 ; U1.2 17.32,25.418 17.282,25.38 ; 17.282,24.364 17.282,25.38 ; 17.282,24.364 18.044,23.602 18.044,23.418 ; 18.044,22.418 18.044,23.418
CHR_EN: ESP1.37 U4.3 | length 68
  Top Layer w0.127: U4.3 27.97,51.77 28.4,52.2 28.4,55.6 29,56.2 62.041,56.2 63.8,54.441 63.8,35.659 62.411,34.27 ESP1.37
CHR_I_MEAS: pad.@23.05,33.775 R11.2 U1.32 U4.5 | length 39.7
  Top Layer w0.127: pad.@23.05,33.775 24.53,33.775 24.554,33.799 ; U1.32 25.332,17.918 24.554,18.696 24.554,33.799 ; R11.2 28,42.2 25.119,39.319 25.119,35.215 24.554,34.65 24.554,33.799
  Top Layer w0.15: U4.5 27.77,49.23 28,49 R11.2
CHR_MEAS: C12.1 pad.@27.45,29.65 R13.1 R14.2 U1.33 | length 22.7
  Top Layer w0.127: C12.1@26.157,31.943 24.808,30.594 24.808,29.636 ; pad.@27.45,29.65 24.822,29.65 24.808,29.636 ; U1.33 25.242,18.418 24.808,18.852 24.808,29.636
  Top Layer w0.15: C12.1@26.1,32 R14.2 R13.1
CHR_POS: CHR+.1 R13.2 U4.4 U4.8 | length 27.2
  Top Layer w0.127: R13.2 27.6,35.5 27.6,40.8 28.8,42 28.8,45.1 29.1,45.4 29.513,45.4 34.15,50.037 U4.8
  Top Layer w0.8: U4.4 U4.8
DATABUS: BLDC_DATA.1 R19.1 R20.2 R21.2 | length 12.9
  Top Layer w0.3: R19.1 16.8,3 BLDC_DATA.1@19.5,3 ; BLDC_DATA.1@19.5,8.3 BLDC_DATA.1@19.5,3 ; R21.2@22.503,2.553 22.456,2.6 21.5,2.6 21.1,3 BLDC_DATA.1@19.5,3
  Top Layer w0.381: R19.1@16.681,2.881 R19.1 ; R21.2@22.503,2.553 R21.2 R20.2
DCDC_DIS: ESP1.23 Q3.3 R4.2 U2.4 | length 39.8
  Top Layer w0.127: Q3.3 44.325,2.525 44.6,2.8 47.6,2.8 48.087,2.313 51.013,2.313 51.8,3.1 51.8,10.3 ; R4.2@50.207,10.629 50.971,10.629 51.3,10.3 51.8,10.3 ; v2(52.4,10.3) 51.8,10.3 ; v2(52.4,19.5) 54.1,19.5 54.435,19.165 ESP1.23
  Top Layer w0.15: U2.4 48.638,9.86 48.863,10.085 49.047,10.085 49.591,10.629 R4.2@50.207,10.629
  Bottom Layer w0.127: v2(52.4,10.3) v2(52.4,19.5)
DCDC_SUP: C15.+ C16.2 R9.1 U2.5 | length 25.3
  Top Layer w0.3: 52.137,12.506 52.2,12.443
  Top Layer w0.5: R9.1 47.027,1.873 51.273,1.873 53.6,4.2 53.6,12.49 53.584,12.506
  Top Layer w0.635: U2.5 47.688,10.42 48.134,10.866 48.45,10.866 C16.2@49.974,12.39
  Top Layer w1.27: C16.2 52.137,12.506 53.584,12.506 55.81,12.506 C15.+
DTR: ESP1.3 ESP_DBG.4 R1.2 | length 52.1
  Top Layer w0.127: v2(39.1,32.4) 39.7,33 ESP1.3 ; v2(44.4,33) 55.5,33 56.8,31.7 56.8,17.718 57.118,17.4 R1.2 60.1,16.8 60.3,16.6 64.5,16.6 65.1,17.2 65.1,23.282 ESP_DBG.4
  Bottom Layer w0.127: v2(39.1,32.4) 39.7,33 v2(44.4,33)
EN_B: Q3.1 R23.1 | length 18.3
  Top Layer w0.127: v2(31.6,7.9) 37.8,7.9 38.15,7.55 Q3.1 ; R23.1 v2(34,14.9)
  Bottom Layer w0.127: v2(31.6,7.9) 31.6,11.85 31.932,12.182 32.207,12.182 34,13.975 v2(34,14.9)
FB: R5.1 R6.2 U2.3 | length 3.9
  Top Layer w0.127: U2.3 48.638,6.262 48.8,6.1 50.13,6.1 R6.2 R5.1
GND: BAT-.1 BLDC-.1 BMS.1 BTN.2 C1.2 C2.2 C3.2 C4.2 C5.2 C6.2 C9.2 C10.2 C11.2 C12.2 C13.2 C14.2 C15.- C16.1 CHR-.1 D1.A ESP1.1 ESP1.15 ESP1.38 ESP1.39 ESP_DBG.6 EXT_SPI.5 MH1.1 MH2.1 MH3.1 MH4.1 Q1.2 Q2.2 Q3.2 R3.1.1 R4.1 R6.1 R8.1 R11.1 R12.1 R14.1 R16.1 R22.1 U1.30 U1.31 U1.36 U1.40 U1.45 U1.46 U1.47 U1.48 U2.2 U5.1 | length 21
  Top Layer w0.3: Q1.2 32.687,6.154 33.467,6.934 U5.1 36.376,6.934 C14.2
  Top Layer w0.381: U1.31@27.581,17.252 U1.30 30.178,16.918 C3.2 C4.2 ; U1.40 28.872,21.918 29.22,21.57 30.198,21.57 C5.2
  Top Layer w0.762: U2.2 47.688,5.735 48.134,5.289 48.232,5.289 48.426,5.095 C9.2
  Top Layer w1.27: D1.A 47.63,12.644 47.87,12.884 47.87,14.252 47.924,14.306 C16.1
  other v1: 42.3,2.05 13.925,2.2 25.4,2.4 30,2.4 35.95,2.425 53.6,3.3 58,3.3 46.9,3.4 27.1,3.6 39.3,3.7 37.2,3.8 21.375,4.15 25.6,4.9 47.2,5 34.9,5.6 52.5,6 14.725,6.05 55.8,6.4 31.3,6.5 6.3,6.9 8.3,7.1 23.9,7.2 52.5,8 13.4,8.1 46.7,8.3 47.7,8.3 48.7,8.3 38,8.9 30.3,10 26.4,10.2 8.6,10.3 34.8,10.3 10,11 14.1,11.5 29,11.6 35,12.5 45,12.6 20.25,12.725 18,13 14,13.5 53.4,14.4 15,14.5 16.9,14.8 35.2,14.9 22,15 42,15.1 48.7,15.1 29,15.4 8.6,15.5 25.2,15.5 17.2,16.2 15,16.5 36.6,16.6 56.8,16.6 59,16.6 62.7,17.4 16,17.9 57.546,18.003 41.9,18.1 60.85,18.425 8.4,18.8 22,19 38,19 55.875,19.05 25.5,19.1 13.5,19.3 44.3,19.3 60.025,19.625 40.025,19.65 10.2,19.9 34.8,20.2 39.5,21 8.6,21.1 28.9,21.1 10.2,21.2 31.4,21.6 38.1,21.6 34.5,21.8 40.025,22.175 25.5,22.5 64.475,23.025 13.6,23.2 35.5,23.5 39.8,23.6 22,24 14.5,24.5 10.2,24.9 35.175,25.15 64.85,25.675 18,26 25.5,26.1 10.2,26.3 8.6,26.4 21.154,26.576 23.1,27.2 64.825,28.2 15,29 26,29 20.975,29.7 23.225,29.7 59.95,29.925 8.6,30 10,30 25.6,30.325 64.825,30.65 19,31 59.975,31.1 10,31.4 23.9,31.85 4.6,32.3 59.975,32.375 38.1,32.9 56.775,32.95 25.15,33.175 29.5,33.6 21,34 10.2,35.1 23.925,35.375 43.2,35.6 56.8,35.6 60.3,35.6 4.6,35.7 37.6,35.7 10.5,36.5 39.1,37.1 26,38 28.4,38 16.05,38.425 21,39 6.5,39.6 10.2,40.2 15.6,41.3 11.9,42.1 2.8,42.4 4.4,42.5 26.8,43.1 30.8,43.1 8.6,43.5 12.3,44.2 10.7,44.7 12,49.5 29,49.5 12,51.5 29,51.5
I34: ESP1.6
I35: ESP1.7
IO2: ESP1.24
IO4: ESP1.26
IO5: ESP1.29
IO6: ESP1.20
IO7: ESP1.21
IO8: ESP1.22
IO9: ESP1.17
IO10: ESP1.18
IO11: ESP1.19
IO13: ESP1.16
IO16: ESP1.27
IO17: ESP1.28
IO18: ESP1.30
IO19: ESP1.31
IO21: ESP1.33
IO32: ESP1.8
RX: ESP1.10 R21.1 R22.2 | length 35.4
  Top Layer w0.127: R22.2 22.484,7.625 28.659,13.8 36.271,13.8 38.6,13.8 42.805,18.005 42.805,23.995 42.7,24.1 41.51,24.1 ESP1.10
  Top Layer w0.381: R22.2 22.503,5.639 22.503,4.191 R21.1
RXD: ESP1.35 ESP_DBG.2 | length 6.5
  Top Layer w0.127: ESP1.35 61.732,31.73 ESP_DBG.2
SPI_CS0: ESP1.14 EXT_SPI.4 U1.41 | length 17.6
  Top Layer w0.127: U1.41 34.782,22.418 35.496,21.704 35.496,19.612 EXT_SPI.4 38.56,17.76 39.83,19.03 ESP1.14
SPI_MISO: ESP1.11 EXT_SPI.1 U1.44 | length 16.5
  Top Layer w0.127: U1.44 34.718,23.918 36.18,25.38 EXT_SPI.1 38.42,25.38 39,24.8 39,23.2 39.36,22.84 ESP1.11
SPI_MOSI: ESP1.12 EXT_SPI.2 U1.43 | length 14.7
  Top Layer w0.127: U1.43 34.783,23.418 35.361,22.84 EXT_SPI.2 38.46,22.84 39.7,21.6 41.47,21.6 ESP1.12
SPI_MSCK: ESP1.13 EXT_SPI.3 U1.42 | length 15
  Top Layer w0.127: U1.42 34.73,22.918 EXT_SPI.3 ESP1.13
SW: C8.2 D1.K L1.1 U2.6
T\X\: Q1.3 Q2.1 R18.1 | length 9.1
  Top Layer w0.3: R18.1 29.2,6.2 30.137,5.263 Q1.3
  Top Layer w0.381: Q2.1@28.148,2.463 Q2.1 28.369,3.385 28.618,3.634 Q1.3
T\X\C: Q2.3 R20.1 | length 2
  Top Layer w0.3: R20.1 25.156,4.172 25.675,3.653 Q2.3@25.8,3.653
  Top Layer w0.381: R20.1 R20.1@24.065,4.153 ; Q2.3@25.8,3.653 Q2.3
TX: ESP1.9 R17.1 | length 44.6
  Top Layer w0.127: R17.1 34.41,4.434 33.676,3.7 31.6,3.7 31.2,4.1 31.2,5.1 29.3,7 25.2,7 25,7.2 25,9.782 28.718,13.5 38.659,13.5 43.059,17.9 43.059,24.941 42.62,25.38 ESP1.9
TXB: Q1.1 R17.2 | length 1.8
  Top Layer w0.381: Q1.1 32.762,2.759 34.385,2.759 R17.2
TXD: ESP1.34 ESP_DBG.3 | length 7
  Top Layer w0.127: ESP1.34 60.462,30.46 ESP_DBG.3
VCC: C1.1 C2.1 C14.1 ESP1.2 ESP_DBG.1 R1.1 R2.1 R18.2 U1.1 U5.2 U5.4 | length 119.5
  Top Layer w0.3: U1.1 21.818,25.918 22.1,26.2 22.1,27.8 C2.1@22.2,27.9 ; C2.1 v2(23.3,28.1) ; v2(25.3,28.1) 36.8,28.1 37.4,28.7 37.4,33.3 38,33.9 C1.1 ; R18.2 25.9,8.9 26.224,9.224 U5.4 ; C14.1 36.15,9.2 34.116,9.2 U5.2 U5.4 ; ESP1.2@41.33,34.1 41.43,34.2 42.8,34.2 43.4,33.6 43.4,15.8 ; ESP_DBG.1 65.316,31.984 65.8,31.5 65.8,16.8 64.8,15.8 R2.1 R1.1 43.4,15.8 ; U5.4 28.232,12.532 28.86,13.16 38.86,13.16 41.5,15.8 43.4,15.8
  Top Layer w0.5: C1.1 39.3,34.1 ESP1.2@41.33,34.1
  Bottom Layer w0.3: v2(23.3,28.1) v2(25.3,28.1)
VREF1: C3.1 U1.35 | length 3.5
  Top Layer w0.305: U1.35 29.328,19.418 30.086,18.66 C3.1
  Top Layer w0.381: C3.1@29.852,19.044 C3.1
VREF2: C4.1 U1.34 | length 5.8
  Top Layer w0.254: U1.34 28.824,18.918 29.22,18.522 29.22,18.014 29.474,17.76 31.218,17.76 32.118,18.66 C4.1
pads on no net: ESP1.32 U1.3 U1.5 U1.7 U1.9 U1.38 U1.39

## Polygon pours and split planes (outlines as drawn)
GND on Top Layer "TOP_GND" (solid, remove dead copper, pour order 5): 0,0 0,60 30,60 30,58.27 ccw(c31.27,58.27) 31.27,57 45.73,57 ccw(c45.73,58.27) 47,58.27 47,60 70,60 70,0
CHR_POS on Top Layer "CHR_POS" (solid, remove dead copper, pour order 3): 29.5,45 42.5,45 43.5,46 43.5,55 42.5,56 29.5,56
BATT_POS on Top Layer "BATT_POS" (solid, remove dead copper, pour order 2): 12.5,45 12.5,56 27,56 27.5,55.5 27.5,46 26,44.5 26,41.5 25,40.5 17,40.5 16,41.5
BLDC_POS on Top Layer "BLDC_POS" (solid, remove dead copper, pour order 1): 2,43 5,43 7.5,45.5 10.5,45.5 10.5,55 10,55.5 6.5,55.5 4,53 2,53 1.5,52.5 1.5,43.5
SW on Top Layer "SW" (solid, remove dead copper, pour order 0): 47.18,9.088 47.18,10.866 45.148,10.866 44.386,11.628 44.386,13.66 40.068,13.66 39.56,13.152 39.56,7.564 39.814,7.31 43.37,7.31 43.624,7.564 43.624,8.834 43.878,9.088 46.164,9.088
GND on Bottom Layer "BOT_GND" (solid, remove dead copper, pour order 4): 0,0 0,60 30,60 30,58.27 ccw(c31.27,58.27) 31.27,57 45.73,57 ccw(c45.73,58.27) 47,58.27 47,60 70,60 70,0

## Silkscreen, mask and mechanical layers (free items; w line width, h text height)
Top Overlay:
  text "CHR+" at 38.442,43.838 h2
  text "GND" at 45.635,43.838 h2
  text "GND" at 52.609,43.838 h2
  text "GND" at 59.109,43.838 h2
  text "BLDC+" at 0.338,43.292 h2 r270
  text "BAT+" at 18.355,39.338 h2
  text "PCBv1.0" at 71,31 h5 r90
  text "BLDC / DATA" at 18.298,10.07 h2
Bottom Overlay:
  text "VCC" at 69.627,31.388 h1.6
  text "RED" at 37.091,31.038 h2
  text "RXD" at 69.159,28.848 h1.6
  text "BLACK" at 39.165,28.738 h2
  text "GREEN" at 39.358,26.438 h2
  text "TXD" at 69.08,26.33 h1.6
  text "RESET" at 70.202,23.768 h1.6
  text "BOOT" at 69.759,21.228 h1.6
  text "GND" at 69.759,18.688 h1.6
Outline:
  lines w0.254: 0,0 70,0 70,60 47,60 47,59 47,58.27 cw(c45.73,58.27) 45.73,57 31.27,57 cw(c31.27,58.27) 30,58.27 30,59 30,60 0,60 0,0